# KiCad board m-blanc.kicad_pcb (continued)
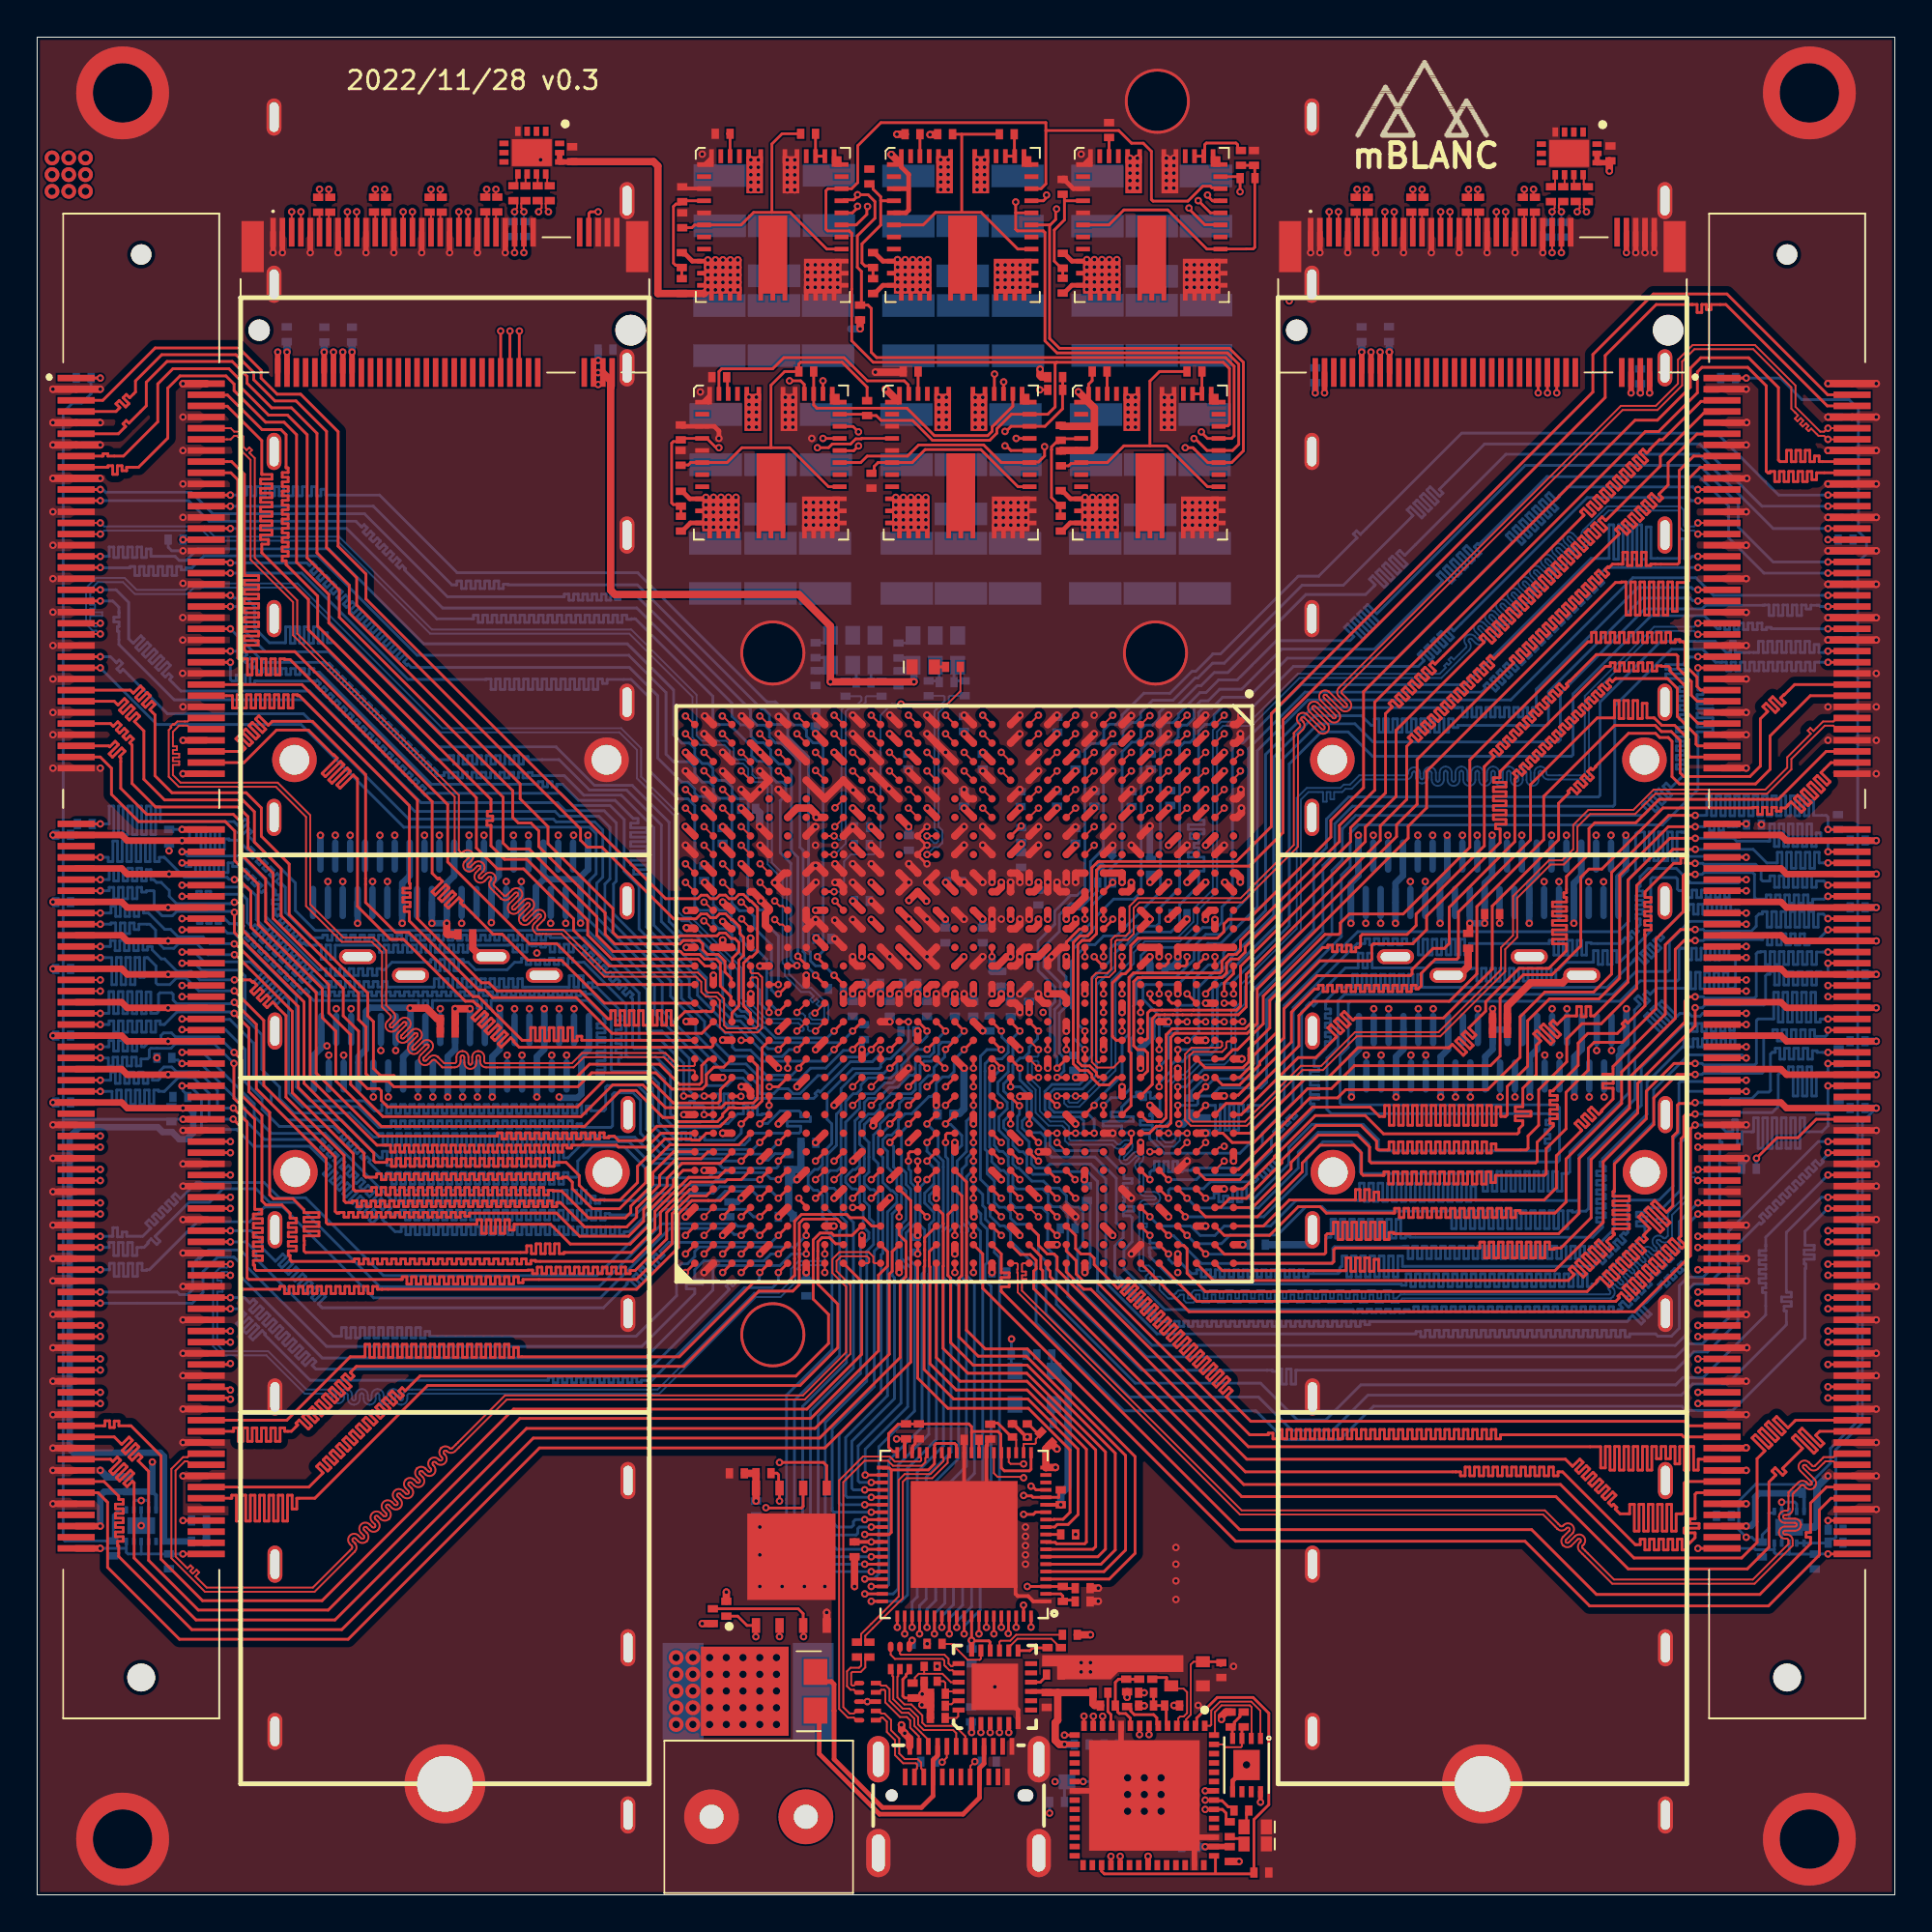
[diagram p0: board, top side]
## Routing (per net, layer and track width the routed paths; a pad name or vN(x,y) marks a point on that pad's centre or on a via; arc(x,y) is an arc through that point) (continued)
DRAM2_DQ46: length 53.6
  Top Layer w0.15: U1.M23 v1(53.9,40.5) ; v1(96.4,32.15) DIMM2.158
  InLayer2 (Signal) w0.15: v1(53.9,40.5) 53.93,40.5 54.32,40.11 58.28,40.11 59.4,38.99 59.4,38.41 59.81,38 59.81,37.24 60.43,36.62 60.43,36.32 60.73,36.02 62.11,36.02 62.86,35.27 63.23,35.27 64.17,34.33 80.02,34.33 80.1,34.41 80.18,34.41 80.18,34.45 80.43,34.45 80.43,34.17 80.68,34.17 80.68,34.45 80.93,34.45 80.93,34.17 81.18,34.17 81.18,34.45 81.43,34.45 81.43,34.17 81.68,34.17 81.68,34.45 81.93,34.45 81.93,34.17 82.18,34.17 82.18,34.45 82.43,34.45 82.43,34.17 82.68,34.17 82.68,34.45 82.93,34.45 82.93,34.17 83.18,34.17 83.18,34.45 83.43,34.45 83.43,34.17 83.68,34.17 83.68,34.45 83.93,34.45 83.93,34.17 84.18,34.17 84.18,34.45 84.43,34.45 84.43,34.36 84.68,34.36 84.68,34.41 88.39,34.41 88.77,34.03 89.6,34.03 91.47,32.15 v1(96.4,32.15)
DRAM2_DQ47: length 53.9
  Top Layer w0.15: U1.N24 v1(52.9,39.5) ; v1(96.4,31.55) DIMM2.160
  InLayer2 (Signal) w0.15: v1(96.4,31.55) 96.35,31.6 96.22,31.6 96.19,31.63 95.48,31.63 95.48,31.44 95.23,31.44 95.23,31.65 94.98,31.65 94.98,31.26 94.73,31.26 94.73,31.65 94.48,31.65 94.48,31.26 94.23,31.26 94.23,31.65 93.98,31.65 93.98,31.26 93.73,31.26 93.73,31.65 93.48,31.65 93.48,31.63 91.15,31.63 89.68,33.1 88.55,33.1 88.16,33.49 86.39,33.49 85.52,32.62 73.28,32.62 72.61,33.28 62.48,33.28 61.76,34 60.83,34 58.51,36.32 58.51,38.58 57.58,39.51 54.51,39.51 54.1,39.1 53.64,39.1 53.24,39.5 v1(52.9,39.5)
DRAM2_DQ48: length 54.5
  Top Layer w0.15: U1.K26 v1(55.9,37.5) ; v1(89.4,30.65) DIMM2.163
  InLayer2 (Signal) w0.15: v1(89.4,30.65) 88.99,30.65 87.76,29.42 71.89,29.42 70.32,30.99 68.56,30.99 68.56,30.98 68.31,30.98 68.31,31.24 68.06,31.24 68.06,30.78 67.81,30.78 67.81,31.24 67.56,31.24 67.56,30.78 67.31,30.78 67.31,31.24 67.06,31.24 67.06,30.78 66.81,30.78 66.81,31.24 66.56,31.24 66.56,30.78 66.31,30.78 66.31,31.24 66.06,31.24 66.06,30.78 65.81,30.78 65.81,31.24 65.56,31.24 65.56,30.78 65.31,30.78 65.31,31.24 65.06,31.24 65.06,30.78 64.81,30.78 64.81,31.24 64.56,31.24 64.56,30.78 64.31,30.78 64.31,31.24 64.06,31.24 64.06,30.78 63.81,30.78 63.81,31.24 63.56,31.24 63.56,30.78 63.31,30.78 63.31,31.24 63.06,31.24 63.06,30.78 62.81,30.78 62.81,31.24 62.56,31.24 62.56,30.78 62.31,30.78 62.31,31.24 62.06,31.24 62.06,30.78 61.81,30.78 61.81,31.24 61.56,31.24 61.56,30.78 61.31,30.78 61.31,31.24 61.06,31.24 61.06,30.99 59.46,30.99 56.87,33.58 56.87,34.41 56.4,34.87 56.4,37 v1(55.9,37.5)
DRAM2_DQ49: length 55
  Top Layer w0.15: v1(89.4,30.05) DIMM2.165 ; U1.L26 v1(54.9,37.5)
  InLayer2 (Signal) w0.15: v1(89.4,30.05) 88.88,30.05 87.56,28.74 87.14,28.74 87.14,28.83 86.89,28.83 86.89,28.61 86.64,28.61 86.64,28.97 86.39,28.97 86.39,28.61 86.14,28.61 86.14,28.97 85.89,28.97 85.89,28.61 85.64,28.61 85.64,28.97 85.39,28.97 85.39,28.61 85.14,28.61 85.14,28.97 84.89,28.97 84.89,28.61 84.64,28.61 84.64,28.97 84.39,28.97 84.39,28.61 84.14,28.61 84.14,28.97 83.89,28.97 83.89,28.61 83.64,28.61 83.64,28.97 83.39,28.97 83.39,28.61 83.14,28.61 83.14,28.97 82.89,28.97 82.89,28.61 82.64,28.61 82.64,28.97 82.39,28.97 82.39,28.61 82.14,28.61 82.14,28.97 81.89,28.97 81.89,28.61 81.64,28.61 81.64,28.97 81.39,28.97 81.39,28.61 81.14,28.61 81.14,28.97 80.89,28.97 80.89,28.61 80.64,28.61 80.64,28.97 80.39,28.97 80.39,28.61 80.14,28.61 80.14,28.97 79.89,28.97 79.89,28.61 79.64,28.61 79.64,28.97 79.39,28.97 79.39,28.61 79.14,28.61 79.14,28.97 78.89,28.97 78.89,28.61 78.64,28.61 78.64,28.97 78.39,28.97 78.39,28.74 71.52,28.74 69.97,30.29 59.39,30.29 56.67,33.01 56.27,33.01 55.9,33.38 55.9,35.84 55.4,36.33 55.4,37 v1(54.9,37.5)
DRAM2_DQ50: length 56.2
  Top Layer w0.15: v1(89.4,27.05) DIMM2.175 ; U1.N26 v1(52.9,37.5)
  InLayer2 (Signal) w0.15: v1(52.9,37.5) 52.88,37.5 52.4,37.02 52.4,35.1 52.8,34.7 52.8,33.44 60.67,25.58 62.52,25.58 62.52,25.83 62.77,25.83 62.77,25.56 63.02,25.56 63.02,26 63.27,26 63.27,25.56 63.52,25.56 63.52,26 63.77,26 63.77,25.56 64.02,25.56 64.02,26 64.27,26 64.27,25.56 64.52,25.56 64.52,26 64.77,26 64.77,25.56 65.02,25.56 65.02,26 65.27,26 65.27,25.56 65.52,25.56 65.52,26 65.77,26 65.77,25.56 66.02,25.56 66.02,26 66.27,26 66.27,25.56 66.52,25.56 66.52,26 66.77,26 66.77,25.56 67.02,25.56 67.02,26 67.27,26 67.27,25.56 67.52,25.56 67.52,26 67.77,26 67.77,25.56 68.02,25.56 68.02,25.58 87.42,25.58 88.9,27.05 v1(89.4,27.05)
DRAM2_DQ51: length 54.4
  Top Layer w0.15: v1(89.4,26.45) DIMM2.177 ; U1.P28 v1(51.9,35.5)
  InLayer2 (Signal) w0.15: v1(51.9,35.5) 51.9,34.75 52.29,34.36 52.29,33.24 60.45,25.08 87.87,25.08 87.87,25.41 88.12,25.41 88.12,25.06 88.37,25.06 88.37,25.8 88.62,25.8 88.62,25.06 88.87,25.06 88.87,25.35 89.12,25.35 89.12,25.06 89.37,25.06 89.37,25.08 89.41,25.08 89.61,25.28 89.28,25.6 89.46,25.78 89.91,25.33 90.09,25.5 89.64,25.96 89.81,26.13 90.27,25.68 90.44,25.86 90.02,26.28 90.2,26.45 90.49,26.16 90.5,26.17 90.5,26.68 90.41,26.77 89.72,26.77 v1(89.4,26.45)
DRAM2_DQ52: length 55.7
  Top Layer w0.15: v1(96.4,30.35) DIMM2.164 ; v1(55.87,38.5) 55.87,38.52 55.4,38.98 U1.K25
  InLayer2 (Signal) w0.15: v1(55.87,38.5) 55.9,38.47 55.9,38.16 56.07,37.99 56.38,37.99 56.93,37.44 56.93,35.05 57.4,34.58 57.4,33.84 59.56,31.69 70.57,31.69 72.2,30.06 87.88,30.06 88.94,31.12 89.48,31.12 90.25,30.35 91.12,30.35 91.12,30.75 91.37,30.75 91.37,30.33 91.62,30.33 91.62,30.75 91.87,30.75 91.87,30.33 92.12,30.33 92.12,30.75 92.37,30.75 92.37,30.33 92.62,30.33 92.62,30.75 92.87,30.75 92.87,30.33 93.12,30.33 93.12,30.75 93.37,30.75 93.37,30.33 93.62,30.33 93.62,30.75 93.87,30.75 93.87,30.33 94.12,30.33 94.12,30.75 94.37,30.75 94.37,30.33 94.62,30.33 94.62,30.75 94.87,30.75 94.87,30.33 95.12,30.33 95.12,30.46 95.37,30.46 95.37,30.35 v1(96.4,30.35)
DRAM2_DQ53: length 54.5
  Top Layer w0.15: v1(96.4,29.75) DIMM2.166 ; U1.L27 v1(54.9,36.5)
  InLayer2 (Signal) w0.15: v1(54.9,36.5) 54.95,36.45 54.95,36.12 55.43,35.64 55.43,33.39 59.27,29.55 69.72,29.55 71.16,28.11 87.45,28.11 88.94,29.6 91.15,29.6 91.43,29.88 92.35,29.88 92.48,29.75 92.7,29.75 92.7,29.83 92.95,29.83 92.95,29.37 93.2,29.37 93.2,29.83 93.45,29.83 93.45,29.37 93.7,29.37 93.7,29.83 93.95,29.83 93.95,29.37 94.2,29.37 94.2,29.83 94.45,29.83 94.45,29.37 94.7,29.37 94.7,29.83 94.95,29.83 94.95,29.37 95.2,29.37 95.2,29.83 95.45,29.83 95.45,29.52 95.7,29.52 95.7,29.75 v1(96.4,29.75)
DRAM2_DQ54: length 55.9
  Top Layer w0.15: v1(96.4,27.35) DIMM2.174 ; U1.P27 v1(51.9,36.5)
  InLayer2 (Signal) w0.15: v1(96.4,27.35) 94.22,27.35 94.22,27.32 93.97,27.32 93.97,27.61 93.72,27.61 93.72,27.32 93.47,27.32 93.47,27.4 93.22,27.4 93.22,27.35 92.8,27.35 90.03,24.59 60.21,24.59 51.8,33 51.8,34.03 51.4,34.43 51.4,36.04 51.86,36.5 v1(51.9,36.5)
DRAM2_DQ55: length 57.1
  Top Layer w0.15: v1(96.4,26.75) DIMM2.176 ; U1.P26 v1(51.9,37.5)
  InLayer2 (Signal) w0.15: v1(96.4,26.75) 96.4,26.75 93.81,26.75 91.12,24.07 59.96,24.07 50.97,33.05 50.97,36.57 v1(51.9,37.5)
DRAM2_DQ56: length 66.7
  Top Layer w0.15: DIMM2.181 88.92,25.25 88.68,25.49 65.33,25.49 64.01,26.81 64.33,27.14 64.15,27.31 63.83,26.98 63.65,27.16 64.21,27.72 64.03,27.9 63.47,27.34 63.29,27.51 63.86,28.07 63.68,28.25 63.12,27.69 62.94,27.87 63.5,28.43 63.33,28.6 62.76,28.04 62.59,28.22 63.15,28.78 62.97,28.96 62.41,28.4 62.23,28.57 62.8,29.14 62.62,29.31 62.06,28.75 61.88,28.93 62.44,29.49 62.26,29.67 61.7,29.1 61.53,29.28 62.09,29.84 61.91,30.02 61.35,29.46 61.17,29.63 61.73,30.2 61.56,30.37 61,29.81 60.82,29.99 61.38,30.55 61.2,30.73 60.64,30.17 60.47,30.34 61.03,30.9 60.85,31.08 60.29,30.52 60.11,30.7 60.67,31.26 60.5,31.43 59.94,30.87 59.76,31.05 60.32,31.61 60.14,31.79 59.58,31.23 59.41,31.4 59.97,31.96 59.79,32.14 59.23,31.58 59.05,31.76 59.61,32.32 59.44,32.49 58.88,31.93 58.7,32.11 59.26,32.67 59.08,32.85 58.52,32.29 58.35,32.46 58.91,33.02 58.73,33.2 58.17,32.65 56.9,33.92 56.9,34.27 56.67,34.5 56.18,34.5 55.9,34.78 55.9,35.5 U1.K28
DRAM2_DQ57: length 65
  Top Layer w0.15: DIMM2.183 88.64,24.65 88.52,24.77 78.77,24.77 78.77,24.54 78.52,24.54 78.52,25.05 78.27,25.05 78.27,24.54 78.02,24.54 78.02,25.05 77.77,25.05 77.77,24.54 77.52,24.54 77.52,25.05 77.27,25.05 77.27,24.54 77.02,24.54 77.02,25.05 76.77,25.05 76.77,24.54 76.52,24.54 76.52,25.05 76.27,25.05 76.27,24.54 76.02,24.54 76.02,25.05 75.77,25.05 75.77,24.54 75.52,24.54 75.52,25.05 75.27,25.05 75.27,24.54 75.02,24.54 75.02,25.05 74.77,25.05 74.77,24.54 74.52,24.54 74.52,25.05 74.27,25.05 74.27,24.54 74.02,24.54 74.02,25.05 73.77,25.05 73.77,24.54 73.52,24.54 73.52,25.05 73.27,25.05 73.27,24.54 73.02,24.54 73.02,25.05 72.77,25.05 72.77,24.54 72.52,24.54 72.52,25.05 72.27,25.05 72.27,24.54 72.02,24.54 72.02,25.05 71.77,25.05 71.77,24.54 71.52,24.54 71.52,25.05 71.27,25.05 71.27,24.54 71.02,24.54 71.02,25.05 70.77,25.05 70.77,24.54 70.52,24.54 70.52,25.05 70.27,25.05 70.27,24.54 70.02,24.54 70.02,25.05 69.77,25.05 69.77,24.54 69.52,24.54 69.52,25.05 69.27,25.05 69.27,24.54 69.02,24.54 69.02,25.05 68.77,25.05 68.77,24.54 68.52,24.54 68.52,25.05 68.27,25.05 68.27,24.54 68.02,24.54 68.02,25.05 67.77,25.05 67.77,24.54 67.52,24.54 67.52,25.05 67.27,25.05 67.27,24.54 67.02,24.54 67.02,25.05 66.77,25.05 66.77,24.54 66.52,24.54 66.52,24.85 66.27,24.85 66.27,24.77 65.27,24.77 57.01,33.03 56.32,33.03 55.93,33.42 55.93,34.13 55.4,34.66 U1.K29
DRAM2_DQ58: length 67.6
  Top Layer w0.15: U1.M28 53.9,35.5 53.9,34.97 54.37,34.5 54.74,34.5 54.91,34.34 54.91,33.66 65.12,23.45 82.27,23.45 82.65,23.07 83.04,23.45 83.22,23.28 82.81,22.87 82.99,22.7 83.4,23.1 83.57,22.92 83.17,22.52 83.34,22.34 83.75,22.75 83.93,22.57 83.52,22.17 83.7,21.99 84.1,22.39 84.28,22.22 83.87,21.81 84.05,21.64 84.46,22.04 84.63,21.86 84.23,21.46 84.4,21.28 84.81,21.69 84.99,21.51 84.58,21.11 84.76,20.93 84.86,21.03 85.03,20.85 84.95,20.77 85.21,20.51 85.73,20.51 85.73,21.02 85.98,21.02 85.98,19.58 86.23,19.58 86.23,21.02 86.48,21.02 86.48,19.58 86.73,19.58 86.73,21.02 86.98,21.02 86.98,19.58 87.23,19.58 87.23,21.02 87.48,21.02 87.48,19.58 87.73,19.58 87.73,21.02 87.98,21.02 87.98,19.58 88.23,19.58 88.23,20.51 88.57,20.51 88.66,20.6 88.66,22.16 88.75,22.25 DIMM2.191
DRAM2_DQ59: length 63.2
  Top Layer w0.15: U1.L30 54.4,33.7 54.53,33.57 54.53,33.28 65.04,22.77 76.62,22.77 76.62,22.56 76.87,22.56 76.87,23.03 77.12,23.03 77.12,22.56 77.37,22.56 77.37,23.03 77.62,23.03 77.62,22.56 77.87,22.56 77.87,23.03 78.12,23.03 78.12,22.56 78.37,22.56 78.37,23.03 78.62,23.03 78.62,22.56 78.87,22.56 78.87,23.03 79.12,23.03 79.12,22.56 79.37,22.56 79.37,23.03 79.62,23.03 79.62,22.56 79.87,22.56 79.87,23.03 80.12,23.03 80.12,22.56 80.37,22.56 80.37,23.03 80.62,23.03 80.62,22.56 80.87,22.56 80.87,23.03 81.12,23.03 81.12,22.56 81.37,22.56 81.37,23.03 81.62,23.03 81.62,22.56 81.87,22.56 81.87,22.77 82.11,22.77 86.03,18.85 86.29,18.85 86.29,19.15 86.54,19.15 86.54,18.57 86.79,18.57 86.79,19.15 87.04,19.15 87.04,18.57 87.29,18.57 87.29,19.15 87.54,19.15 87.54,18.57 87.79,18.57 87.79,19.15 88.04,19.15 88.04,18.57 88.29,18.57 88.29,19.15 88.54,19.15 88.54,18.57 88.79,18.57 88.79,18.85 88.87,18.85 89.25,19.23 89.25,19.49 88.65,19.49 88.65,19.74 89.46,19.74 89.46,19.99 88.97,19.99 88.97,20.24 89.25,20.24 89.25,21.56 89.33,21.65 DIMM2.193
DRAM2_DQ60: length 65.6
  Top Layer w0.15: DIMM2.180 94.66,25.55 94.25,25.14 93.64,25.75 93.46,25.57 94.1,24.93 93.92,24.76 93.2,25.48 93.02,25.3 93.74,24.58 93.57,24.4 92.84,25.13 92.67,24.95 93.39,24.23 93.21,24.05 92.49,24.77 92.31,24.6 93.01,23.9 92.58,23.48 92.58,18.97 91.75,18.13 85.96,18.13 82,22.09 64.95,22.09 54.13,32.91 54.13,33.6 54.03,33.7 54.03,34.38 U1.M29
DRAM2_DQ61: length 65.5
  Top Layer w0.15: U1.N29 52.93,34.47 53.46,34.47 53.78,34.16 53.78,33.71 53.64,33.57 53.64,32.64 64.84,21.44 81.76,21.44 85.64,17.55 92.06,17.55 93.23,18.72 93.23,22.23 93.6,22.6 93.38,22.82 93.56,22.99 93.97,22.59 94.14,22.76 93.95,22.95 95.03,24.03 94.48,24.59 94.65,24.76 95.65,23.77 95.82,23.95 94.83,24.94 95.01,25.12 96,24.12 96.18,24.3 95.74,24.74 95.95,24.95 DIMM2.182
DRAM2_DQ62: length 61.2
  Top Layer w0.15: U1.P29 51.9,34.5 51.9,33.48 52.32,33.48 52.32,33.23 51.89,33.23 51.89,32.98 52.32,32.98 52.32,32.73 51.89,32.73 51.89,32.48 51.91,32.48 64.73,19.66 80.45,19.66 83.94,16.17 92.73,16.17 95.46,18.9 95.46,19.26 95.22,19.26 95.22,19.51 95.46,19.51 95.46,21.09 96.32,21.95 DIMM2.192
DRAM2_DQ63: length 60.3
  Top Layer w0.15: U1.R29 50.9,34.5 50.9,32.65 64.52,19.03 80.09,19.03 83.57,15.55 93.2,15.55 95.94,18.29 95.94,20.72 96.56,21.35 97.7,21.35 DIMM2.194
DRAM2_DQS0_N: length 78.1
  Top Layer w0.1: DIMM2.10 v1(96.4,78.95) 96.38,78.95 96.19,78.76 95.99,78.76 94.65,80.1 94.65,81.25 92.47,83.43 89.12,83.43 88.33,82.64 88.33,81.35 87.13,80.15 85.25,80.15 70.19,65.09 70.07,64.98 arc(69.98,64.74) 70.07,64.52 70.49,64.1 arc(70.49,64.1) 70.49,64.1 arc(70.49,63.96) 70.35,63.96 69.53,64.77 69.53,64.77 arc(69.31,64.83) 69.11,64.74 arc(69.11,64.74) 69.11,64.74 arc(69.01,64.51) 69.11,64.28 69.89,63.5 arc(69.89,63.5) 69.89,63.5 arc(69.89,63.36) 69.75,63.36 arc(69.75,63.36) 69.75,63.36 68.93,64.17 68.93,64.17 arc(68.71,64.23) 68.51,64.14 arc(68.51,64.14) 68.51,64.14 arc(68.41,63.91) 68.51,63.68 69.29,62.9 arc(69.29,62.9) 69.29,62.9 arc(69.29,62.76) 69.14,62.76 68.33,63.57 68.33,63.57 arc(68.11,63.63) 67.91,63.54 arc(67.91,63.54) 67.91,63.54 arc(67.81,63.3) 67.91,63.08 67.97,63.01 arc(67.97,63.01) 67.97,63.01 arc(68,62.94) 67.97,62.87 67.64,62.55 67.64,56.51 64.78,53.65 59.24,53.65 58.8,53.21 58.8,51.83 58.6,51.62 58.02,51.62 57.81,51.41 57.81,49.83 57.61,49.62 57.01,49.62 56.78,49.39 56.78,44.83 57.07,44.53 57.93,44.53 U1.G19
DRAM2_DQS0_P: length 77.6
  Top Layer w0.1: DIMM2.12 v1(96.4,78.35) 96.38,78.35 96.19,78.54 95.89,78.54 95.5,78.93 95.36,78.79 95.22,78.93 95.36,79.07 95.22,79.21 95.04,79.04 94.9,79.18 95.07,79.36 94.93,79.5 94.76,79.32 94.62,79.46 94.79,79.64 94.43,80 94.43,81.15 92.38,83.2 89.21,83.2 88.55,82.54 88.55,81.25 87.22,79.93 85.34,79.93 70.35,64.93 70.23,64.82 arc(70.23,64.82) 70.23,64.82 arc(70.2,64.75) 70.23,64.67 arc(70.23,64.67) 70.23,64.67 70.68,64.23 70.68,64.22 arc(70.63,63.78) 70.19,63.8 69.41,64.58 arc(69.34,64.61) 69.27,64.58 arc(69.24,64.51) 69.27,64.44 70.08,63.62 70.08,63.62 arc(70.03,63.18) 69.59,63.2 68.81,63.98 arc(68.81,63.98) 68.81,63.98 arc(68.74,64.01) 68.67,63.98 arc(68.64,63.91) 68.67,63.84 69.48,63.02 69.48,63.02 arc(69.43,62.58) 68.99,62.6 68.21,63.38 arc(68.14,63.41) 68.06,63.38 arc(68.04,63.31) 68.06,63.23 68.13,63.17 arc(68.13,63.17) 68.13,63.17 68.16,63.14 68.16,63.13 arc(68.22,62.92) 68.13,62.71 67.87,62.45 67.87,56.42 64.88,53.43 59.33,53.43 59.03,53.12 59.03,51.73 58.69,51.4 58.12,51.4 58.04,51.32 58.04,49.74 57.7,49.4 57.1,49.4 57,49.3 57,44.92 57.11,44.81 57.19,44.81 57.38,45 U1.H19
DRAM2_DQS1_N: length 76.8
  Top Layer w0.1: v1(55.9,43) U1.J21 ; v1(89.4,73.85) DIMM2.27
  Bottom Layer w0.1: v1(55.9,43) 55.57,43 55.51,42.94 55.51,42.7 55.57,42.64 56,42.64 57.83,44.47 57.83,49.23 58.81,50.21 58.81,50.83 59.53,51.55 61.41,51.55 62.24,52.38 62.24,53.06 63.29,54.11 63.29,62.7 63.74,63.15 65.28,63.15 67.86,65.73 75.49,65.73 75.83,66.07 75.74,66.16 75.88,66.3 75.97,66.21 76.11,66.35 75.98,66.49 76.12,66.63 76.26,66.49 76.55,66.78 arc(76.55,66.78) 76.55,66.78 76.92,67.15 arc(76.95,67.22) 76.92,67.29 ; v1(89.4,73.85) 89.38,73.85 89.19,73.66 88.69,73.66 88.63,73.72 88.63,74.55 88.44,74.74 84.51,74.74 83.23,73.46 arc(83.23,73.46) 83.23,73.46 arc(83.13,73.23) 83.23,73 83.3,72.94 arc(83.3,72.79) 83.15,72.79 82.66,73.29 82.66,73.29 arc(82.44,73.35) 82.24,73.25 arc(82.24,73.25) 82.24,73.25 arc(82.14,73.02) 82.24,72.79 82.69,72.34 arc(82.7,72.19) 82.55,72.19 82.06,72.68 82.06,72.68 arc(81.84,72.75) 81.64,72.65 arc(81.64,72.65) 81.64,72.65 arc(81.64,72.65) 81.64,72.65 arc(81.54,72.42) 81.64,72.19 82.09,71.73 arc(82.09,71.59) 81.95,71.59 81.46,72.08 81.46,72.08 arc(81.24,72.14) 81.04,72.05 arc(81.04,72.05) 81.03,72.05 arc(80.94,71.82) 81.04,71.59 81.49,71.13 arc(81.49,70.99) 81.35,70.99 80.86,71.48 80.85,71.48 arc(80.64,71.54) 80.43,71.45 arc(80.43,71.45) 80.43,71.45 arc(80.43,71.45) 80.43,71.45 arc(80.34,71.22) 80.43,70.99 80.89,70.53 arc(80.89,70.39) 80.75,70.39 arc(80.75,70.39) 80.75,70.39 80.26,70.88 80.25,70.88 arc(79.82,70.83) 79.83,70.39 80.29,69.93 arc(80.32,69.86) 80.29,69.79 arc(80.22,69.76) 80.15,69.79 79.66,70.28 79.65,70.28 arc(79.21,70.23) 79.23,69.79 79.69,69.33 arc(79.72,69.26) 79.69,69.19 arc(79.62,69.16) 79.55,69.19 arc(79.55,69.19) 79.55,69.19 79.06,69.68 79.05,69.68 arc(78.61,69.63) 78.63,69.19 79.09,68.73 arc(79.09,68.73) 79.09,68.73 arc(79.12,68.66) 79.09,68.59 arc(79.02,68.56) 78.95,68.59 78.46,69.08 78.45,69.08 arc(78.01,69.03) 78.03,68.58 78.49,68.13 arc(78.52,68.06) 78.49,67.99 arc(78.42,67.96) 78.35,67.99 arc(78.35,67.99) 78.35,67.99 77.86,68.48 77.85,68.48 arc(77.41,68.42) 77.43,67.98 77.72,67.69 arc(77.75,67.62) 77.72,67.55 arc(77.65,67.52) 77.58,67.55 arc(77.58,67.55) 77.58,67.55 77.38,67.75 arc(76.92,67.75) 76.92,67.29 ; 76.92,67.29 arc(76.92,67.29) 76.92,67.29
DRAM2_DQS1_P: length 76.5
  Top Layer w0.1: v1(89.4,73.25) DIMM2.29 ; v1(54.9,43) U1.K21
  Bottom Layer w0.1: v1(54.9,43) 55.23,43 55.29,42.94 55.29,42.61 55.48,42.42 56.1,42.42 58.05,44.37 58.05,49.13 59.04,50.12 59.04,50.74 59.62,51.32 61.5,51.32 62.47,52.28 62.47,52.97 63.51,54.02 63.51,62.61 63.83,62.93 65.37,62.93 67.95,65.5 75.59,65.5 76.71,66.62 arc(76.71,66.62) 76.71,66.62 77.08,66.99 arc(77.17,67.2) 77.11,67.41 77.11,67.42 77.08,67.45 arc(77.08,67.59) 77.22,67.59 77.42,67.39 arc(77.65,67.3) 77.88,67.39 arc(77.88,67.39) 77.88,67.39 arc(77.97,67.62) 77.88,67.85 77.59,68.14 arc(77.59,68.29) 77.73,68.28 arc(77.73,68.28) 77.73,68.28 78.19,67.83 arc(78.42,67.73) 78.65,67.83 arc(78.65,67.83) 78.65,67.83 arc(78.74,68.03) 78.68,68.25 78.68,68.25 78.19,68.74 arc(78.19,68.89) 78.33,68.89 78.79,68.43 arc(79.02,68.33) 79.25,68.43 arc(79.25,68.43) 79.25,68.43 arc(79.34,68.63) 79.28,68.85 79.28,68.85 78.79,69.34 arc(78.79,69.49) 78.93,69.49 arc(78.93,69.49) 78.93,69.49 79.39,69.03 arc(79.62,68.93) 79.85,69.03 arc(79.85,69.03) 79.85,69.03 arc(79.94,69.23) 79.88,69.45 79.88,69.46 79.39,69.95 arc(79.39,70.09) 79.53,70.09 79.99,69.63 arc(80.22,69.53) 80.45,69.63 arc(80.45,69.63) 80.45,69.63 arc(80.54,69.83) 80.48,70.05 80.48,70.06 79.99,70.55 arc(79.99,70.69) 80.13,70.69 arc(80.13,70.69) 80.13,70.69 80.59,70.23 arc(81.03,70.21) 81.08,70.65 81.08,70.66 80.59,71.15 arc(80.56,71.22) 80.59,71.29 arc(80.66,71.32) 80.73,71.29 81.19,70.83 arc(81.63,70.81) 81.68,71.25 81.68,71.26 81.19,71.75 arc(81.16,71.82) 81.19,71.89 arc(81.26,71.92) 81.34,71.89 arc(81.34,71.89) 81.34,71.89 81.79,71.43 arc(82.23,71.42) 82.29,71.85 82.29,71.86 81.8,72.35 arc(81.77,72.42) 81.79,72.49 arc(81.87,72.52) 81.94,72.49 82.39,72.03 arc(82.83,72.02) 82.89,72.45 82.89,72.46 82.4,72.95 arc(82.37,73.02) 82.4,73.09 arc(82.47,73.12) 82.54,73.09 arc(82.54,73.09) 82.54,73.09 82.99,72.64 arc(83.44,72.62) 83.49,73.06 83.49,73.06 83.39,73.16 arc(83.39,73.16) 83.39,73.16 arc(83.36,73.23) 83.39,73.3 arc(83.39,73.3) 83.39,73.3 83.5,73.42 84.6,74.52 88.35,74.52 88.41,74.46 88.41,73.63 88.6,73.44 89.19,73.44 89.38,73.25 v1(89.4,73.25)
DRAM2_DQS2_N: length 64.8
  Top Layer w0.1: U1.D23 v1(61.9,41) ; v1(89.4,68.45) DIMM2.45
  Bottom Layer w0.1: v1(89.4,68.45) 89.38,68.45 89.19,68.26 87.04,68.26 83.31,64.53 83.31,60.32 83.25,60.27 81.35,60.27 arc(81.27,60.3) 81.25,60.37 81.25,60.41 arc(81.15,60.64) 80.92,60.73 arc(80.69,60.64) 80.6,60.41 80.6,60.02 arc(80.57,59.95) 80.5,59.92 arc(80.42,59.95) 80.4,60.02 80.4,60.41 arc(80.3,60.64) 80.07,60.73 arc(79.84,60.64) 79.75,60.41 79.75,60.02 arc(79.72,59.95) 79.65,59.92 arc(79.57,59.95) 79.55,60.02 79.55,60.41 arc(79.45,60.64) 79.22,60.73 arc(78.99,60.64) 78.9,60.41 78.9,60.02 arc(78.87,59.95) 78.8,59.92 arc(78.72,59.95) 78.7,60.02 78.7,60.41 arc(78.6,60.64) 78.37,60.73 arc(78.14,60.64) 78.05,60.41 78.05,60.02 arc(78.02,59.95) 77.95,59.92 arc(77.87,59.95) 77.85,60.02 77.85,60.41 arc(77.75,60.64) 77.52,60.73 arc(77.29,60.64) 77.2,60.41 77.2,60.02 arc(77.17,59.95) 77.1,59.92 arc(77.02,59.95) 77,60.02 77,60.41 arc(76.9,60.64) 76.67,60.73 arc(76.44,60.64) 76.35,60.41 76.35,60.02 arc(76.32,59.95) 76.25,59.92 arc(76.17,59.95) 76.15,60.02 76.15,60.41 arc(76.05,60.64) 75.82,60.73 arc(75.59,60.64) 75.5,60.41 75.5,60.02 arc(75.47,59.95) 75.4,59.92 arc(75.32,59.95) 75.3,60.02 75.3,60.39 arc(75.2,60.62) 74.97,60.71 arc(74.74,60.62) 74.65,60.39 74.65,60.15 arc(74.62,60.08) 74.55,60.05 arc(74.47,60.08) 74.45,60.15 74.45,60.37 arc(74.35,60.6) 74.12,60.69 arc(73.89,60.6) 73.8,60.37 arc(73.77,60.3) 73.7,60.27 71.17,60.27 70.67,59.76 70.34,59.76 70.16,59.59 68.34,59.59 67.8,59.04 67.8,52 64.77,48.97 64.77,48.04 64.28,47.55 64.28,45.38 63.82,44.92 62.5,44.92 61.72,44.14 61.22,44.14 60.8,43.71 60.8,41.82 60.28,41.29 60.28,40.64 60.64,40.28 61.18,40.28 61.51,40.61 61.51,40.88 61.57,40.94 61.84,40.94 v1(61.9,41)
DRAM2_DQS2_P: length 65.5
  Top Layer w0.1: v1(89.4,67.85) DIMM2.47 ; U1.E23 v1(60.9,41)
  Bottom Layer w0.1: v1(60.9,41) 60.96,40.94 61.23,40.94 61.29,40.88 61.29,40.7 61.09,40.5 60.74,40.5 60.5,40.74 60.5,41.2 61.03,41.73 61.03,43.62 61.32,43.91 61.81,43.91 62.59,44.69 63.91,44.69 64.51,45.29 64.51,47.46 65,47.95 65,48.88 68.03,51.91 68.03,58.95 68.44,59.36 69.22,59.36 69.22,58.85 69.42,58.85 69.42,59.36 69.62,59.36 69.62,58.98 69.82,58.98 69.82,59.36 70.25,59.36 70.43,59.54 70.76,59.54 71.26,60.04 73.7,60.04 arc(73.93,60.14) 74.02,60.37 arc(74.05,60.44) 74.12,60.47 arc(74.19,60.44) 74.22,60.37 74.22,60.15 arc(74.32,59.92) 74.55,59.83 arc(74.78,59.92) 74.87,60.15 74.87,60.39 arc(74.9,60.46) 74.97,60.49 arc(75.04,60.46) 75.07,60.39 75.07,60.02 arc(75.17,59.79) 75.4,59.7 arc(75.63,59.79) 75.72,60.02 75.72,60.41 arc(75.75,60.48) 75.82,60.51 arc(75.89,60.48) 75.92,60.41 75.92,60.02 arc(76.02,59.79) 76.25,59.7 arc(76.48,59.79) 76.57,60.02 76.57,60.41 arc(76.6,60.48) 76.67,60.51 arc(76.74,60.48) 76.77,60.41 76.77,60.02 arc(76.87,59.79) 77.1,59.7 arc(77.33,59.79) 77.42,60.02 77.42,60.41 arc(77.45,60.48) 77.52,60.51 arc(77.59,60.48) 77.62,60.41 77.62,60.02 arc(77.72,59.79) 77.95,59.7 arc(78.18,59.79) 78.27,60.02 78.27,60.41 arc(78.3,60.48) 78.37,60.51 arc(78.44,60.48) 78.47,60.41 78.47,60.02 arc(78.57,59.79) 78.8,59.7 arc(79.03,59.79) 79.12,60.02 79.12,60.41 arc(79.15,60.48) 79.22,60.51 arc(79.29,60.48) 79.32,60.41 79.32,60.02 arc(79.42,59.79) 79.65,59.7 arc(79.88,59.79) 79.97,60.02 79.97,60.41 arc(80,60.48) 80.07,60.51 arc(80.14,60.48) 80.17,60.41 80.17,60.02 arc(80.27,59.79) 80.5,59.7 arc(80.73,59.79) 80.82,60.02 80.82,60.41 arc(80.85,60.48) 80.92,60.51 arc(80.99,60.48) 81.02,60.41 81.02,60.37 arc(81.12,60.14) 81.35,60.04 83.34,60.04 83.53,60.23 83.53,64.43 87.14,68.04 89.19,68.04 89.38,67.85 v1(89.4,67.85)
DRAM2_DQS3_N: length 54.5
  Top Layer w0.1: DIMM2.62 96.88,63.35 96.75,63.23 96.75,63.22 96.69,63.16 96.13,63.16 95.62,62.65 95.45,62.82 95.31,62.68 95.48,62.51 95.31,62.34 94.21,61.24 94.21,60.68 93.03,59.5 87.02,59.5 85.93,58.4 83.5,58.4 82.69,57.59 82.69,56.29 82.09,55.69 81.38,55.69 79.45,53.76 79.45,51.64 78.8,51 78.8,49.8 75.44,46.44 70.94,46.44 69.12,44.62 68.02,44.62 65.02,41.62 62.2,41.62 62.02,41.8 62.02,45.16 62.23,45.38 63.78,45.38 64.01,45.61 64.01,45.88 64.07,45.94 64.34,45.94 U1.A18
DRAM2_DQS3_P: length 54.4
  Top Layer w0.1: U1.B18 63.46,45.94 63.73,45.94 63.79,45.88 63.79,45.7 63.69,45.6 62.14,45.6 61.79,45.25 61.79,41.71 62.11,41.4 65.11,41.4 68.11,44.4 69.22,44.4 71.03,46.21 75.53,46.21 79.03,49.71 79.03,50.9 79.67,51.55 79.67,53.66 81.47,55.46 82.18,55.46 82.91,56.19 82.91,57.5 83.6,58.18 86.02,58.18 87.11,59.27 93.12,59.27 94.43,60.58 94.43,61.14 96.23,62.94 96.69,62.94 96.75,62.88 96.75,62.88 96.88,62.75 DIMM2.64
DRAM2_DQS4_N: length 72.6
  Top Layer w0.1: v1(89.4,39.05) 90.7,39.05 DIMM2.135 ; U1.M19 v1(53.9,44.5)
  Bottom Layer w0.1: v1(89.4,39.05) 89.38,39.05 89.19,38.86 88.95,38.86 88.77,38.68 88.77,37.68 87.78,36.69 87.78,36.39 87.17,36.39 87.17,36.19 87.78,36.19 87.78,35.47 87.67,35.37 arc(87.6,35.34) 87.53,35.37 arc(87.53,35.37) 87.53,35.37 87.51,35.39 arc(87.05,35.39) 87.05,34.93 87.16,34.82 arc(87.16,34.82) 87.16,34.82 arc(87.19,34.75) 87.16,34.68 arc(87.09,34.65) 87.02,34.68 86.91,34.79 arc(86.91,34.79) 86.91,34.79 arc(86.68,34.89) 86.45,34.79 arc(86.35,34.56) 86.45,34.33 86.56,34.22 arc(86.59,34.15) 86.56,34.08 arc(86.49,34.05) 86.42,34.08 86.31,34.19 arc(85.85,34.19) 85.85,33.73 85.96,33.62 arc(85.96,33.62) 85.96,33.62 arc(85.99,33.55) 85.96,33.48 arc(85.89,33.45) 85.82,33.48 85.7,33.59 arc(85.47,33.69) 85.24,33.59 arc(85.15,33.36) 85.24,33.13 85.36,33.02 arc(85.39,32.95) 85.36,32.88 arc(85.29,32.85) 85.22,32.88 85.1,32.99 arc(84.64,32.99) 84.64,32.53 84.67,32.51 arc(84.67,32.51) 84.67,32.51 arc(84.7,32.43) 84.67,32.36 84.63,32.33 73.39,32.33 73.2,32.14 73.2,32.1 73,32.1 73,32.41 72.87,32.54 72.48,32.54 72.35,32.41 72.35,32.1 72.15,32.1 72.15,32.41 72.02,32.54 71.63,32.54 71.5,32.41 71.5,32.1 71.3,32.1 71.3,32.41 71.17,32.54 70.78,32.54 70.65,32.41 70.65,32.1 70.45,32.1 70.45,32.41 70.32,32.54 69.93,32.54 69.8,32.41 69.8,32.1 69.6,32.1 69.6,32.41 69.47,32.54 69.08,32.54 68.95,32.41 68.95,32.1 68.75,32.1 68.75,32.41 68.62,32.54 68.23,32.54 68.1,32.41 68.1,32.1 67.9,32.1 67.9,32.41 67.77,32.54 67.38,32.54 67.25,32.41 67.25,32.1 67.05,32.1 67.05,32.41 66.92,32.54 66.53,32.54 66.4,32.41 66.4,32.1 66.2,32.1 66.2,32.41 66.07,32.54 65.68,32.54 65.55,32.41 65.55,32.1 65.35,32.1 65.35,32.41 65.22,32.54 64.83,32.54 64.7,32.41 64.7,32.1 64.5,32.1 64.5,32.41 64.37,32.54 63.98,32.54 63.85,32.41 63.85,32.1 63.65,32.1 63.65,32.41 63.52,32.54 63.13,32.54 63,32.41 63,32.1 62.8,32.1 62.8,32.41 62.67,32.54 62.28,32.54 62.15,32.41 62.15,32.1 61.95,32.1 61.95,32.4 61.82,32.53 61.43,32.53 61.3,32.4 61.3,32.38 61.24,32.33 60.98,32.33 60.64,32.66 60.64,32.74 60.72,32.82 60.72,33 60.44,33.28 60.26,33.28 60.04,33.06 59.9,33.2 60.12,33.42 60.12,33.6 59.84,33.88 59.66,33.88 59.58,33.8 59.55,33.8 59.55,35.94 59.74,35.94 59.74,36.14 59.55,36.14 59.55,37.09 arc(59.58,37.16) 59.65,37.19 60.13,37.19 arc(60.36,37.28) 60.45,37.51 arc(60.36,37.74) 60.13,37.84 59.65,37.84 arc(59.58,37.87) 59.55,37.94 59.55,39.01 59.35,39.21 arc(59.32,39.28) 59.35,39.35 arc(59.35,39.35) 59.35,39.35 59.46,39.46 arc(59.46,39.92) 59,39.92 58.66,39.58 arc(58.66,39.58) 58.66,39.58 arc(58.59,39.55) 58.52,39.58 arc(58.49,39.65) 58.52,39.72 58.9,40.11 58.9,40.11 arc(58.85,40.55) 58.41,40.53 58.29,40.42 arc(58.22,40.39) 58.15,40.42 57.96,40.6 55.63,40.6 55.55,40.69 55.55,41.35 55.27,41.63 54.54,41.63 53.98,42.19 53.98,43.43 53.55,43.86 53.55,44.8 53.64,44.89 53.84,44.89 53.9,44.83 v1(53.9,44.5)